# Altium PCB HORNET-1-IPG.PcbDoc (part 5 of 8)
Units mm, origin at the board's own origin, x right, y up, seen from the top; angles counter-clockwise.
Board outline 91.44 x 90.73 mm, 8 copper layers (TOP, AVERT, AHOR, GND, POWER, DVERT, DHOR, BOT), stack 0.686 mm thick; 726 components, 412 nets, 2077 pads, 2674 vias.
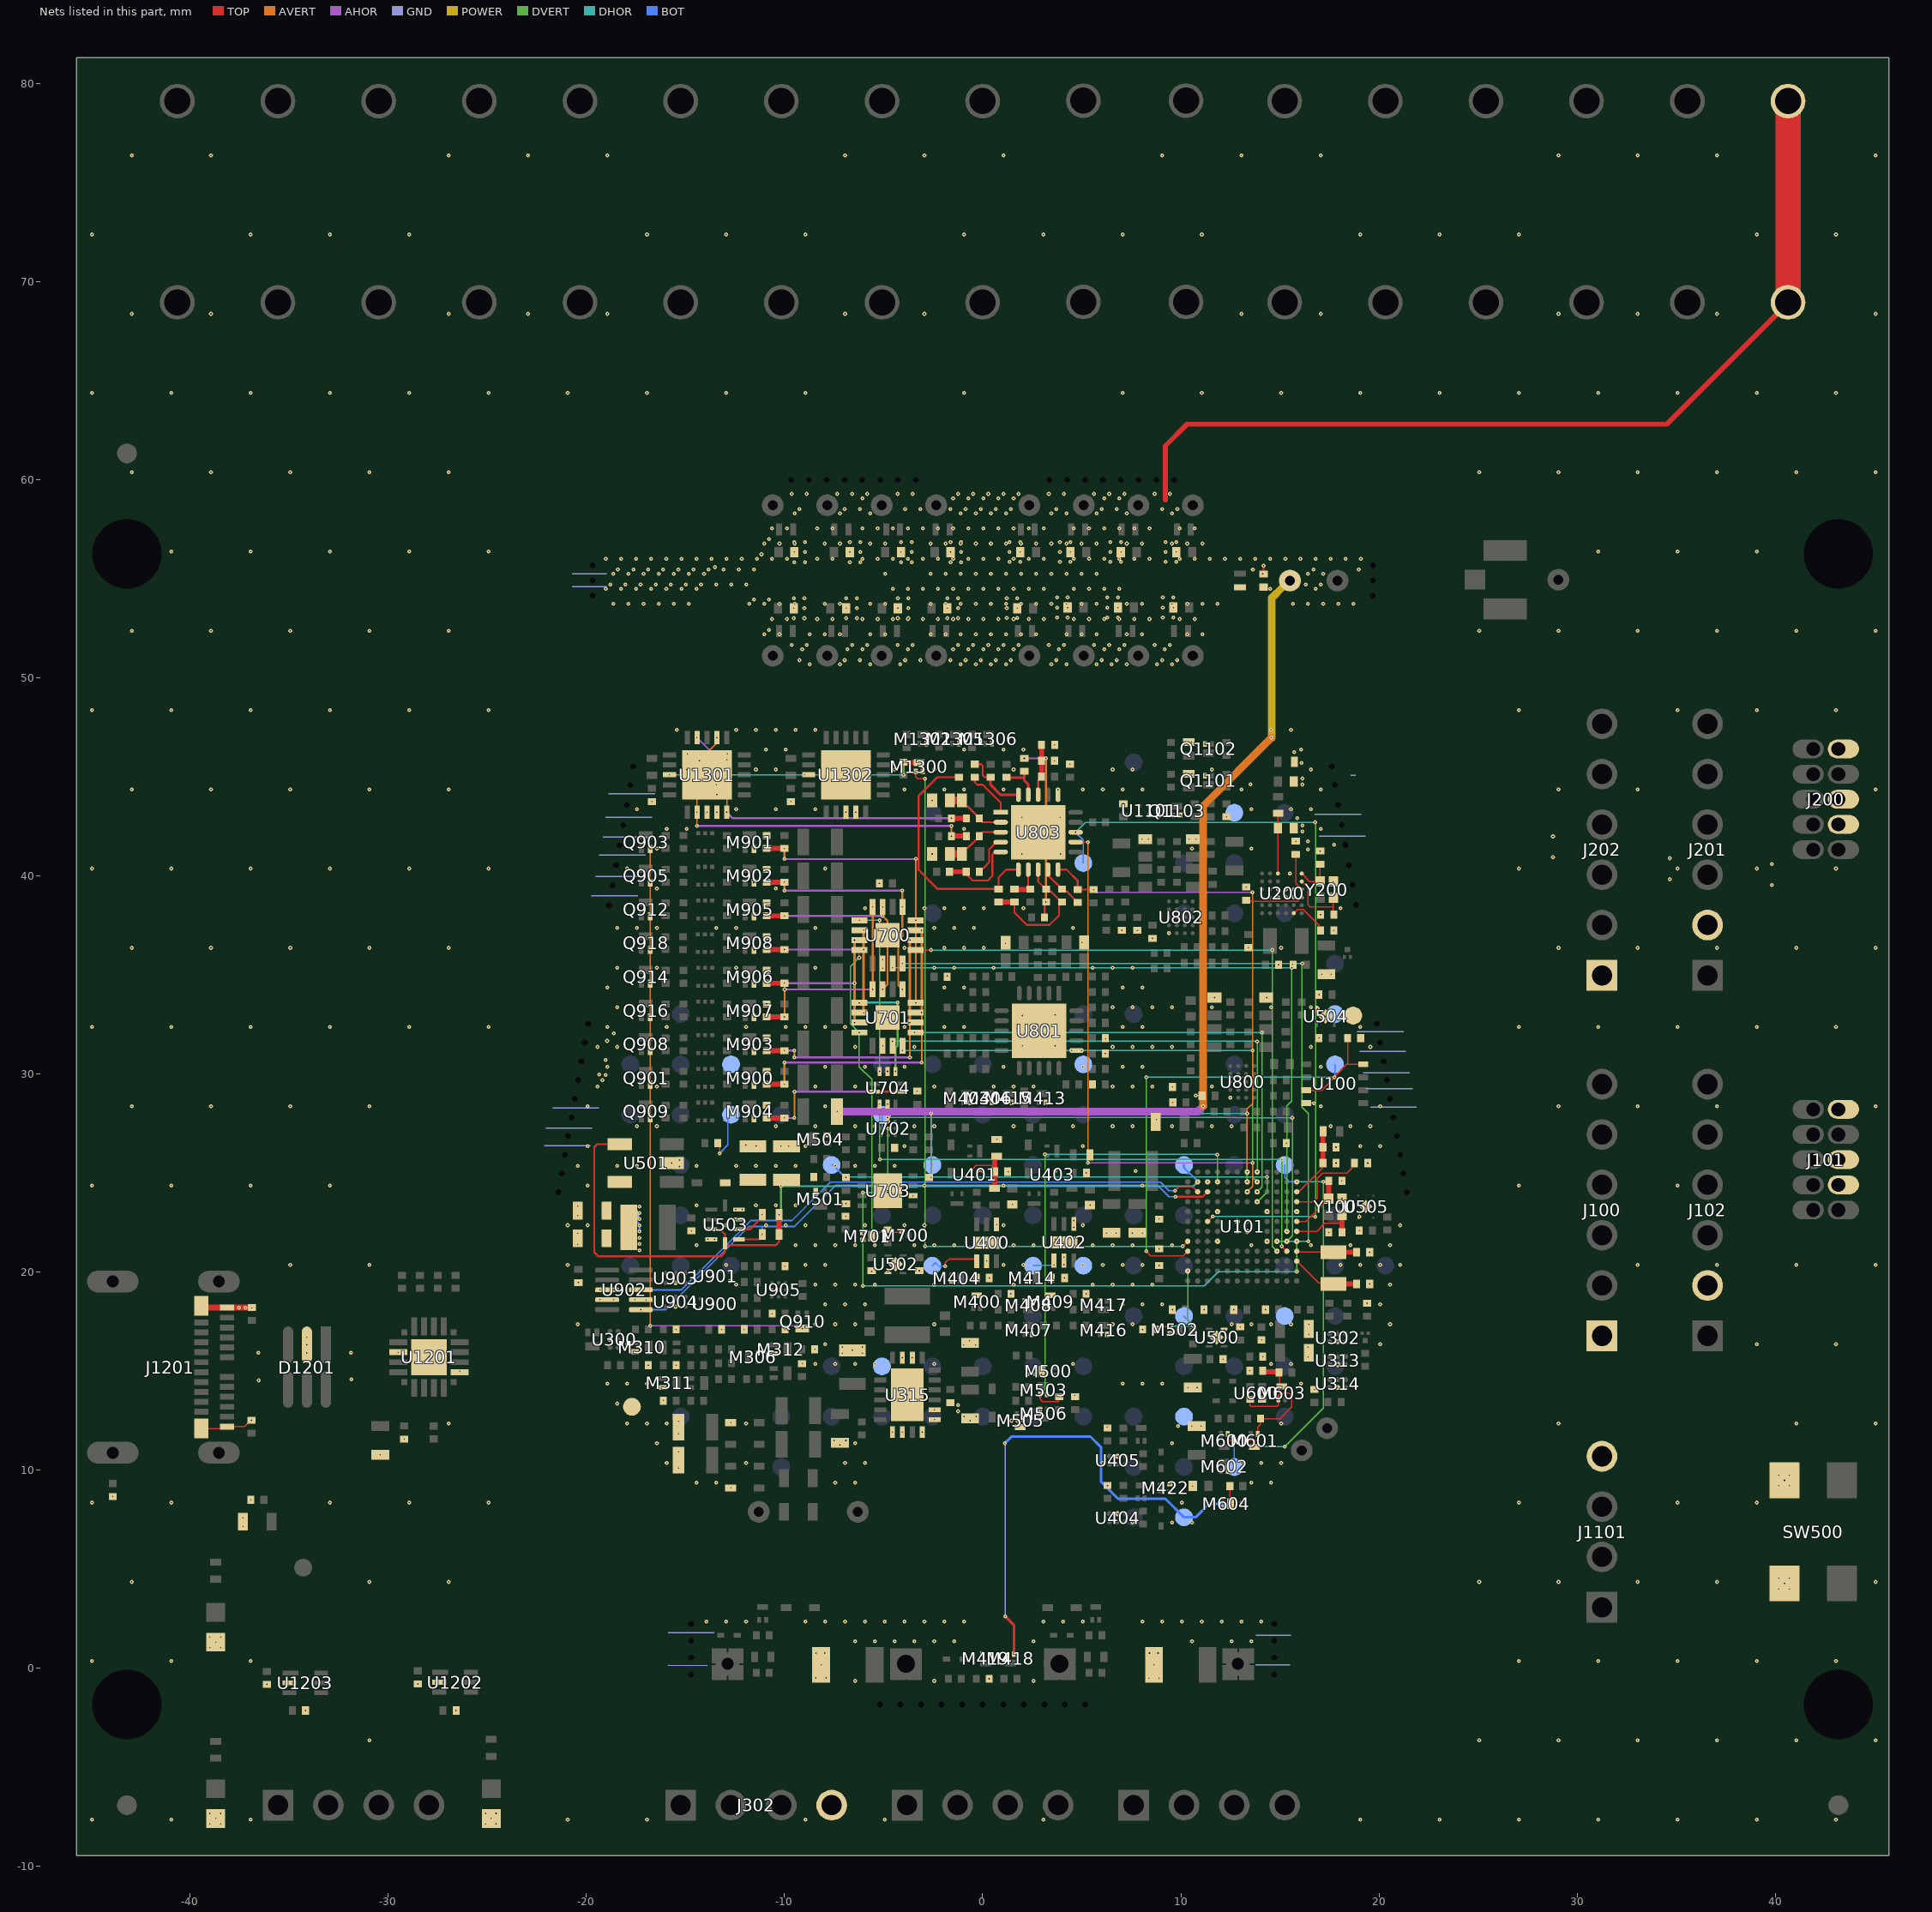
[diagram p11: the nets of this part, all layers, seen from the top]

## Via types
v1: diameter 0.2, hole 0.07, TOP to GND, tented top, 631 vias
v2: diameter 0.2, hole 0.07, GND to BOT, tented bottom, 276 vias
v3: diameter 0.2, hole 0.07, TOP to AHOR, tented top, 245 vias
v4: diameter 0.2, hole 0.07, TOP to BOT, tented top, 216 vias
v5: diameter 0.2, hole 0.07, TOP to POWER, tented top, 159 vias
v6: diameter 0.2, hole 0.07, TOP to DHOR, tented top, 156 vias
v7: diameter 0.2, hole 0.07, DHOR to BOT, tented bottom, 134 vias
v8: diameter 0.2, hole 0.07, TOP to AVERT, tented top, 129 vias
v9: diameter 0.2, hole 0.07, TOP to DVERT, tented top, 111 vias
v10: diameter 0.2, hole 0.07, AVERT to AHOR, 100 vias
v11: diameter 0.2, hole 0.07, DVERT to DHOR, 89 vias
v12: diameter 0.2, hole 0.07, DVERT to DHOR, tented both sides, 86 vias
v13: diameter 0.2, hole 0.07, AHOR to GND, 81 vias
v14: diameter 0.2, hole 0.07, TOP to AVERT, tented both sides, 47 vias
v15: diameter 0.2, hole 0.07, AVERT to AHOR, tented both sides, 39 vias
v16: diameter 0.2/0.2/0.2/0.2 (per signal layer), hole 0.07, TOP to GND, tented both sides, 35 vias
v17: diameter 0.2, hole 0.07, GND to POWER, 28 vias
v18: diameter 0.2, hole 0.07, POWER to DVERT, 22 vias
v19: diameter 0.2, hole 0.07, TOP to BOT, tented both sides, 21 vias
v20: diameter 0.2, hole 0.07, TOP to POWER, tented both sides, 17 vias
v21: diameter 0.2, hole 0.07, TOP to BOT, tented bottom, 12 vias
v22: diameter 0.2, hole 0.07, GND to BOT, tented both sides, 9 vias
v23: diameter 0.2/0.2/0/0.2/0/0/0/0.2 (per signal layer), hole 0.07, TOP to BOT, tented both sides, 7 vias
v24: diameter 0.2/0/0/0/0.2 (per signal layer), hole 0.07, TOP to POWER, tented top, 5 vias
v25: diameter 0.2, hole 0.07, TOP to DVERT, 4 vias
v26: diameter 0.2, hole 0.07, TOP to AHOR, tented both sides, 3 vias
v27: diameter 0.2/0.2/0/0.2/0/0.2/0/0.2 (per signal layer), hole 0.07, TOP to BOT, tented both sides, 2 vias
v28: diameter 0.2, hole 0.07, TOP to GND, tented both sides, 1 vias
v29: diameter 0.2, hole 0.07, AHOR to GND, tented bottom, 1 vias
v30: diameter 0/0 (per signal layer), hole 0.07, GND to POWER, 1 vias
v31: diameter 0.2/0 (per signal layer), hole 0.07, AVERT to AHOR, 1 vias
v32: diameter 0/0 (per signal layer), hole 0.07, AHOR to GND, 1 vias
v33: diameter 0/0 (per signal layer), hole 0.07, POWER to DVERT, 1 vias
v34: diameter 0/0 (per signal layer), hole 0.07, DVERT to DHOR, 1 vias
v35: diameter 0/0.2 (per signal layer), hole 0.07, DHOR to BOT, tented bottom, 1 vias
v36: diameter 0.2, hole 0.07, AVERT to AHOR, tented top, 1 vias
v37: diameter 0.2/0/0/0.2/0/0/0/0.2 (per signal layer), hole 0.07, TOP to BOT, tented both sides, 1 vias

## Nets (pads, with @x,y where several pads share a name; then routed paths per layer and width w, separated by ;. In a path a pad name is that pad's centre, name@x,y a point inside that pad or via, vN(x,y) a via of type N, cw(c..) or ccw(c..) an arc to the next point about the centre after c; other vN are vias at no path point) (continued)
EMG2+: R849.1 R850.1 U1301.5 U1301.14 | length 16.8
  TOP w0.254: v3(-1.575,42.9) R850.1@-0.825,42.9
  AHOR w0.06: v3(-14.414,46.977) -13.508,46.071 -13.284,45.847 v15(-12.903,45.847)
  AHOR w0.1: v3(-12.914,43.207) -12.607,42.9 v3(-1.575,42.9)
  AVERT w0.06: v3(-12.914,43.207) -12.914,45.837 v15(-12.903,45.847)
EMG2-: R848.1 R851.1 U1301.2 U1301.12 | length 19
  TOP w0.254: v8(-1.575,42) R851.1@-0.825,42
  AHOR w0.1: v15(-14.422,42.518) v15(-1.575,42.518)
  AVERT w0.06: v15(-14.422,42.518) -14.418,42.522 v8(-14.418,43.206) v8(-14.418,43.206) -14.414,43.207 -14.414,43.861 -14.3,43.975 v10(-14.3,45.81) -13.414,46.696 v3(-13.414,46.977)
  AVERT w0.1: v8(-1.575,42) v15(-1.575,42.518)
EMG2.LOD: U101.K6 U803.12 | length 42.9
  TOP w0.06: U803.12@4.691,41.7 4.699,41.692 v8(5.312,41.692)
  AHOR w0.06: v10(5.312,25.502) 5.321,25.511 9.6,25.511 v10(13.625,25.511)
  AVERT w0.06: v8(13.35,24.05) 13.625,24.325 v10(13.625,25.511) ; v10(5.312,25.502) v8(5.312,41.692) v10(5.312,25.502)
EMG2.OUT: C828.2 R861.1 U101.M6 U803.10 | length 24.8
  TOP w0.1: U803.10@3.8,40.309 4.23,40.309 4.8,39.74 R861.1@4.8,39.3 v9(5.6,39.3)
  AHOR w0.06: v9(5.6,39.3) 5.733,39.167 6.399,39.167 v10(13.614,39.167)
  AVERT w0.06: v8(13.35,25.05) 13.35,28.234 13.614,28.499 ; 13.614,28.5 13.614,30.7 v10(13.614,39.167)
EMG2.SDNn: TP804.1 U101.G10 U803.13 | length 39.5
  TOP w0.06: U101.G10@11.35,22.55 11.357,22.55 v6(11.607,22.8)
  DVERT w0.06: v11(16.789,22.784) 16.796,22.791 16.796,42.69 v11(16.789,42.697)
  DHOR w0.06: v21(4.691,42.2) 5.188,42.697 9.929,42.697 v11(16.789,42.697) ; v6(11.607,22.8) 16.6,22.8 16.773,22.8 v11(16.789,22.784)
  BOT w0.06: v21(4.691,42.2) 5.08,41.811 TP804.1@5.08,40.64
EMG2_HPDRIVE: C824.1 U803.1 | length 2.5
  TOP w0.1: C824.1@-0.4,44.97 -0.4,44.723 -0.269,44.592 0,44.592 0.909,43.683 U803.1@0.909,43.2
EMG2_HPSENSE: C824.2 R853.1 U803.20 | length 3.3
  TOP w0.102: C824.2@-0.4,45.63 -0.088,45.63 0,45.542 0,45.085 0.11,44.975 R853.1@0.4,44.975
  TOP w0.127: R853.1@0.4,44.975 0.4,44.592 0.902,44.091 U803.20@1.8,44.091
EMG2_IN+: D808.2 D812.1 R850.2 U803.2 | length 3.1
  TOP w0.1: D808.2@-1.05,43.8 -1.05,43.7 -0.85,43.5 -0.75,43.5 -0.3,43.05 -0.175,42.925 R850.2@-0.175,42.9 -0.175,42.875 0,42.7 U803.2@0.909,42.7
  TOP w0.381: D812.1@-1.65,43.8 D808.2@-1.05,43.8
EMG2_IN-: D809.2 D813.1 R851.2 U803.3 | length 3.1
  TOP w0.1: D809.2@-1.05,41.1 -1.05,41.2 -0.85,41.4 -0.75,41.4 -0.175,41.975 R851.2@-0.175,42 -0.175,42.025 0,42.2 U803.3@0.909,42.2
  TOP w0.381: D813.1@-1.65,41.1 D809.2@-1.05,41.1
EMG2_IOUT: C827.2 R854.2 U803.19 | length 2.2
  TOP w0.127: R854.2@1.2,44.975 1.223,44.952 2.1,44.952 ; C827.2@2.1,45.27 2.1,44.952 ; U803.19@2.3,44.091 2.294,44.097 2.294,44.615 2.1,44.808 2.1,44.952
EMG2_OPAMP+: C826.2 R860.2 U803.7 | length 2.3
  TOP w0.1: C826.2@1.6,39.33 C826.2@1.63,39.3 ; U803.7@2.3,40.309 R860.2@2.3,39.4 ; R860.2@2.3,39.4 R860.2@2.388,39.312 ; R860.2@2.3,39.4 R860.2@2.388,39.312 ; R860.2@2.3,39.4 R860.2@2.388,39.312 ; R860.2@2.3,39.4 R860.2@2.4,39.3 ; R860.2@2.388,39.312 R860.2@2.4,39.3 ; R860.2@2.388,39.312 R860.2@2.4,39.3 ; R860.2@2.388,39.312 R860.2@2.4,39.3
  TOP w0.254: C826.2@1.63,39.3 R860.2@2.4,39.3
EMG2_OPAMP-: R856.2 R861.2 U803.9 | length 2.4
  TOP w0.1: U803.9@3.3,40.309 3.327,40.283 3.327,39.998 3.85,39.475 3.85,39.45 R856.2@3.975,39.325 ; R856.2@4,39.3 4.1,39.2 4.25,39.2 R861.2@4.775,38.675 ; R861.2@4.775,38.675 R861.2@4.8,38.675 ; R861.2@4.775,38.675 R861.2@4.8,38.675 ; R861.2@4.775,38.675 R861.2@4.8,38.675
EMG2_REFIN: C822.1 R846.1 R847.2 U803.18 | length 2.6
  TOP w0.1: U803.18@2.8,44.091 2.8,44.791 2.85,44.841 2.85,44.85 R846.1@2.988,44.988
  TOP w0.254: R846.1@2.975,45 R847.2@2.975,45.8 C822.1@2.975,46.6
EMG2_REFOUT: C825.2 C826.1 R856.1 R858.1 U803.8 | length 7
  TOP w0.1: C826.1@1.6,38.67 1.6,38.143 2.229,37.515 3.369,37.515 3.85,37.995 3.85,38.55 R856.1@3.975,38.675 ; U803.8@2.8,40.309 2.8,39.7 3.3,39.2 3.45,39.2 R856.1@3.975,38.675 ; R856.1@4,38.675 R856.1@3.975,38.675
  TOP w0.254: C825.2@0.8,38.67 C826.1@1.6,38.67
EMG2_RLD: C823.1 R852.2 U803.5 | length 3.9
  TOP w0.1: C823.1@-0.85,40.1 -0.51,39.76 0.26,39.76 0.49,39.99 0.49,41.075 0.549,41.134 0.56,41.134 0.626,41.2 U803.5@0.909,41.2
  TOP w0.254: R852.2@-1.675,40.2 C823.1@-0.9,40.2
EMG2_RLDFB: C823.2 U803.4 | length 2
  TOP w0.1: C823.2@-0.1,40.25 0.06,40.41 0.065,40.41 0.33,40.675 0.33,41.33 0.7,41.7 U803.4@0.909,41.7
EMG2_SW: C825.1 R855.1 U803.6 | length 12.3
  TOP w0.102: R855.1@-1.2,44.975 -1.626,44.975 -2.294,44.975 -3.226,44.044 -3.226,40.284 -2.271,39.33 C825.1@0.8,39.33 0.8,39.916 1.193,40.309 U803.6@1.8,40.309
EMG2_VO1: C827.1 R858.2 R859.1 | length 9.1
  TOP w0.1: R859.1@3.125,37.9 3.125,38.6 v8(3.2,38.675)
  TOP w0.127: v3(2.1,45.923) C827.1@2.1,45.93
  AHOR w0.1: v3(2.1,45.923) 3.175,45.923 v10@3.2,45.898
  AVERT w0.1: v8(3.2,38.675) 3.2,44.823 3.2,45.77 v10@3.2,45.898
  other v10: 3.2,45.923
ENCL: C907.2 C1000.1 C1001.1 C1002.1 C1003.1 C1004.1 C1005.1 C1006.1 C1007.1 C1008.1 C1009.1 C1010.1 C1011.1 C1012.1 C1013.1 C1014.1 C1015.1 C1016.2 D1016.2 J1000.1 J1017.1 J1017.2 | length 93.9
  TOP w0.254: C1000.1@-9.576,56.259 cw(c-9.5,56.259) v3(-9.5,56.335) ; 9.223,58.974 9.223,61.7 10.313,62.789 34.519,62.789 J1017.1@40.64,68.911
  TOP w1.27: J1017.1@40.64,68.936 J1017.2@40.64,79.096
  AHOR w0.381: v10(-7.35,28.1) 10.859,28.1 v10(11.125,28.366)
  AVERT w0.381: v10(11.125,28.366) 11.125,43.519 v10@14.574,46.967
  POWER w0.381: v17(14.579,46.967) 14.579,54.009 J1000.1@15.147,54.577
  other v3: -9.254,50.881 -6.965,50.881 -6.202,50.881 -3.913,50.881 -3.15,50.881 -1.624,50.881 -0.861,50.881 -0.098,50.881 0.665,50.881 1.428,50.881 3.717,50.881 6.006,50.881 6.769,50.881 9.058,50.881 9.821,50.881 -9.636,51.644 -8.873,51.644 -6.584,51.644 -5.821,51.644 -4.294,51.644 -3.531,51.644 -1.242,51.644 -0.479,51.644 0.284,51.644 1.047,51.644 1.81,51.644 3.336,51.644 4.099,51.644 5.625,51.644 6.388,51.644 7.151,51.644 8.677,51.644 9.44,51.644 -10.78,52.407 -9.533,52.999 -8.999,52.999 -6.886,52.999 -6.353,52.999 -4.283,52.999 -3.749,52.999 -1.783,52.999 -1.249,52.999 1.214,53.008 1.748,53.008 3.754,53.038 4.288,53.038 6.294,53.038 6.828,53.038 9.088,53.038 9.622,53.038 -9.533,53.505 -8.999,53.505 -6.886,53.505 -6.353,53.505 -4.283,53.505 -3.749,53.505 -1.783,53.505 -1.249,53.505 1.214,53.505 1.748,53.505 3.754,53.535 4.288,53.535 6.294,53.535 6.828,53.535 9.088,53.536 9.622,53.535 -11.543,53.933 -10.78,53.933 -9.533,54.002 -8.999,54.002 -6.886,54.002 -6.353,54.002 -4.283,54.002 -3.749,54.002 -1.783,54.002 -1.249,54.002 1.214,54.011 1.748,54.011 3.754,54.041 4.288,54.041 6.294,54.041 6.828,54.041 9.088,54.041 9.622,54.041 -18.792,54.696 -18.029,54.696 -17.266,54.696 -16.503,54.696 -15.74,54.696 -14.977,54.696 -14.214,54.696 -13.451,54.696 -12.688,54.696 -11.925,54.696 16.307,54.696 17.07,54.696 -18.41,55.459 -16.884,55.459 -16.121,55.459 -15.358,55.459 -14.595,55.459 -13.832,55.459 -13.069,55.459 -12.306,55.459 -11.543,55.459 13.636,55.459 16.688,55.459 18.977,55.459 -9.5,55.829 -8.966,55.829 -6.707,55.829 -6.173,55.829 -4.118,55.829 -3.584,55.829 -1.618,55.829 -1.085,55.829 1.359,55.838 1.893,55.838 3.899,55.838 4.433,55.838 6.439,55.838 6.973,55.838 9.233,55.838 9.767,55.838 -11.162,56.222 -8.966,56.335 -6.707,56.335 -6.173,56.335 -4.118,56.335 -3.584,56.335 -1.618,56.335 -1.085,56.335 1.359,56.335 1.893,56.335 3.899,56.335 4.433,56.335 6.439,56.335 6.973,56.335 9.233,56.335 9.767,56.335 -9.5,56.832 -8.966,56.832 -6.707,56.832 -6.173,56.832 -4.118,56.832 -3.584,56.832 -1.618,56.832 -1.085,56.832 1.359,56.841 1.893,56.841 3.899,56.841 4.433,56.841 6.439,56.841 6.973,56.841 9.233,56.841 9.767,56.841 -10.78,56.985 -9.254,58.511 -6.965,58.511 -6.202,58.511 -3.913,58.511 -3.15,58.511 -1.624,58.511 -0.861,58.511 -0.098,58.511 0.665,58.511 1.428,58.511 3.717,58.511 6.006,58.511 6.769,58.511 9.058,58.511 9.821,58.511 -9.636,59.274 -8.873,59.274 -7.347,59.274 -6.584,59.274 -5.821,59.274 -4.294,59.274 -3.531,59.274 -1.242,59.274 -0.479,59.274 0.284,59.274 1.047,59.274 1.81,59.274 3.336,59.274 4.099,59.274 5.625,59.274 6.388,59.274 7.151,59.274 8.677,59.274 9.44,59.274
  other v8: -7.35,28.1
  other v10: 14.579,46.967
  other v13: 14.579,46.967
  other v26: -17.628,55.448
FRAM_EN: C120.2 TP106.1 U100.3 U100.8 U101.D12 | length 25.7
  TOP w0.06: v9(8.25,21.05) 8.475,20.825 10.125,20.825 U101.D12@10.35,21.05 ; U100.3@16.565,29.175 17.101,29.175 v7(17.754,29.827) ; v6@17.733,29.848 18.366,30.48 18.415,30.48 ; C120.2@18.415,31.75 18.415,30.48 ; U100.8@19.196,30.485 19.191,30.48 18.415,30.48
  DVERT w0.06: v9(8.25,21.05) v12(8.25,29.827)
  DHOR w0.06: v12(8.25,29.827) v7(17.754,29.827)
  BOT w0.06: v7(17.754,29.827) 17.767,29.841 17.767,30.467 TP106.1@17.78,30.48
  other v6: 17.754,29.827
GND: C100.1 C101.2 C102.1 C103.2 C104.1 C105.1 C106.1 C107.1 C108.1 C109.1 C110.1 C111.1 C112.1 C113.1 C114.1 C115.2 C116.1 C117.2 C118.2 C119.2 C120.1 C200.1 C201.1 C210.2 C211.2 C213.2 C214.1 C215.1 C216.1 C217.1 C218.2 C219.1 C306.2 C307.1 C310.1 C311.1 C317.2 C318.1 C319.2 C400.2 C417.1 C419.1 C420.2 C422.1 C423.1 C500.1 C501.2 C502.1 C503.2 C504.2 C505.2 C506.2 C507.1 C508.1 C509.1 C510.1 C511.1 C512.1 C600.2 C601.1 C602.1 C700.1 C701.1 C702.1 C703.1 C704.1 C800.1 C801.1 C807.1 C808.1 C815.1 C816.1 C821.2 C822.2 C901.1 C905.1 C908.1 C1016.1 C1101.1 C1200.1 C1201.2 C1202.1 C1203.2 C1204.1 C1205.2 C1206.1 C1207.1 C1300.1 C1301.1 D305.2 D306.2 D307.1 D804.2 D805.2 D806.2 D807.2 D812.2 D813.2 D814.2 D815.2 D1101.1 D1102.1 D1201.2 D1202.K D1203.K D1204.K F400.2 F401.2 J100.1 J101.3 J101.5 J101.9 J102.2 J200.3 J200.5 J200.9 J201.2 J202.1 J302.4 J1101.4 J1201.A1 J1201.A12 J1201.B1 J1201.B12 L201.1 M306.1 M310.2 M311.2 M312.2 M403.2 M404.2 M406.2 M407.2 M408.2 M413.2 M414.2 M415.2 M416.2 M417.2 M419.2 M422.2 M502.2 M503.2 M504.2 M506.2 M602.2 M604.2 M701.2 M900.2 M901.2 M902.2 M903.2 M904.2 M905.2 M906.2 M907.2 M908.2 M1300.2 M1302.2 M1305.2 M1306.2 Q1101.2 Q1102.2 Q1103.2 R101.1 R319.2 R323.2 R326.2 R328.2 R329.2 R330.2 R341.2 R356.2 R404.2 R409.2 R415.2 R420.2 R422.1 R425.2 R428.2 R502.2 R511.2 R604.2 R705.2 R804.2 R819.2 R834.2 R847.1 R904.2 R911.2 R917.2 R926.2 R927.2 R929.2 R930.1 R931.2 R936.2 R941.2 R946.2 R951.2 R1106.1 R1201.2 R1202.2 R1208.2 SW500.1 SW500.2 TP408.1 TP409.1 TP410.1 TP411.1 TP412.1 TP413.1 TP414.1 TP415.1 TP416.1 TP423.1 U100.4 U101.E4 U101.E9 U101.F6 U101.G7 U101.H1 U101.H4 U101.H9 U101.L10 U200.B3 U200.B4 U200.C1 U200.D3 U200.D4 U200.E3 U200.E4 U300.B1 U302.B1 U313.B1 U314.B1 U315.7 U315.8 U315.10 U315.11 U315.12 U315.18 U315.19 U315.21 U400.1 U400.5 U400.7 U401.B2 U402.1 U402.5 U402.7 U403.B2 U404.B1 U405.B1 U500.2 U500.5 U501.2 U502.2 U502.5 U503.3 U503.4 U503.9 U504.2 U504.5 U505.3 U505.5 U600.4 U700.6 U700.17 U701.6 U701.17 U702.A2 U703.6 U703.9 U704.10 U800.A1 U801.16 U801.21 U802.A1 U803.16 U803.21 U900.1 U900.4 U901.4 U902.3 U902.4 U902.7 U903.2 U904.2 U905.A2 U1101.2 U1101.3 U1201.3 U1201.12 U1201.21 U1202.2 U1203.2 U1301.3 U1301.4 U1301.21 U1302.3 U1302.4 U1302.21 Y100.4 Y200.4 | length 56.2
  TOP w0.06: J1201.B1@-39.43,12.1 -38.23,12.1 J1201.A12@-38.13,12.2 -37.25,12.2 -36.935,12.515 v14(-36.9,12.515) ; M306.1@-11.35,15.95 v1(-11,15.95) ; C821.2@4.4,45.545 v1(4.4,45.63) ; v1(10.426,41.85) D807.2@10.6,41.85 v1(10.768,41.85) ; v1(10.756,28.904) 11.066,28.904 C801.1@11.07,28.9 ; v1(15.8,41.742) C217.1@15.817,41.725
  TOP w0.102: U401.B2@-0.227,25.11 v1(0,25.11) ; C1016.1@14.173,55.222 v28(14.173,55.646) ; U100.4@16.326,28.535 16.71,28.535 v1(16.72,28.525)
  TOP w0.305: J1201.B12@-39.41,18.3 -39.31,18.2 J1201.A1@-38.13,18.2 ; J1201.A1@-38.11,18.2 v8(-37.517,18.2) v10(-37.199,18.2) v13(-36.881,18.2)
  AVERT w0.06: v10@-30.404,10.771 v14(-30.4,10.775) ; v10@-29.21,11.56 v14(-29.2,11.57) ; v10@-26.39,14.987 v14(-26.39,14.99)
  GND w0.06: -22.128,26.377 -19.802,26.377 ; -22.039,27.264 -19.713,27.264 ; -21.689,28.277 -19.363,28.277 ; -20.711,54.585 -18.973,54.585 ; -20.711,55.228 -18.973,55.228 ; -19.73,38.989 -17.404,38.989 ; -19.527,39.954 -17.201,39.954 ; -19.349,41.046 -17.023,41.046 ; -19.146,41.961 -16.82,41.961 ; -19.019,42.951 -16.693,42.951 ; -18.872,44.146 -16.546,44.146 ; -15.875,0.152 -13.9,0.134 ; -15.871,1.798 -13.545,1.798 ; 13.765,0.178 15.503,0.178 ; 13.802,1.671 15.54,1.671 ; 16.77,43.099 19.096,43.099 ; 16.982,42.004 19.308,42.004 ; 18.569,45.066 18.81,45.066 ; 18.908,32.137 21.234,32.137 ; 19.025,31.134 21.351,31.134 ; 19.209,30.056 21.535,30.056 ; 19.358,29.248 21.684,29.248 ; 19.571,28.333 21.897,28.333
  other v1: 0.325,-0.529 8.393,-0.504 8.91,-0.504 -8.425,-0.484 -7.9,-0.484 -8.15,0.171 8.65,0.171 -0.024,0.711 -8.4,0.771 -7.975,0.771 8.421,0.771 8.85,0.771 7.559,7.362 9.559,7.362 10.559,7.362 6.8,7.8 12.06,8.125 10.059,8.362 13.059,8.362 -12.715,9.105 10.6,9.2 6.3,9.225 9.44,9.275 -14.441,9.362 -13.441,9.362 -7.441,9.362 -6.441,9.362 8.559,9.362 13.559,9.362 14.559,9.362 12.375,9.96 -15.35,10.1 -15.941,10.362 -11.941,10.362 -6.941,10.362 -5.941,10.362 6.059,10.362 13.059,10.362 14.059,10.362 15.059,10.362 6.8,10.7 -15.35,10.927 -7.2,11.268 -16.441,11.362 -6.441,11.362 9.559,11.362 -7.5,11.5 -6.9,11.5 -15.35,11.842 -4.55,11.925 -4.05,11.925 -3.05,11.925 6.295,12.185 10.555,12.225 11.026,12.225 -17.941,12.362 -16.941,12.362 -15.941,12.362 -11.941,12.362 15.059,12.362 -12.715,12.4 -15.35,12.467 -0.635,12.497 -2.425,12.55 -0.935,12.713 -0.337,12.713 -1.236,12.969 -2.425,13.05 2.903,13.066 -1.236,13.279 -18.441,13.362 -16.1,13.525 14.125,13.6 4.643,13.776 -3.8,13.8 3.235,13.824 16.739,14.066 -16.15,14.175 10.35,14.175 10.82,14.175 17.91,14.173 -18.941,14.362 -17.941,14.362 -16.941,14.362 7.059,14.362 8.059,14.362 9.059,14.362 16.059,14.362 13.475,15.011 -16.875,15.3 -15.475,15.3 17.917,15.332 -8.441,15.362 -7.441,15.362 -6.441,15.362 -5.441,15.362 -2.441,15.362 4.559,15.362 14.559,15.362 15.559,15.362 -9.1,15.388 12.13,15.6 -4.05,15.675 -3.55,15.675 14.139,15.727 16.408,15.705 -10.55,15.875 -7.089,15.9 -6.06,15.9 -17.55,15.975 -6.575,16.05 -8.475,16.1 16.408,16.201 -7.089,16.219 -6.06,16.219 -0.953,16.307 -0.356,16.307 -17.941,16.362 -7.941,16.362 20.059,16.362 17.908,16.488 -0.656,16.523 14.07,16.575 -18.8,16.6 11.8,16.7 2.475,16.855 6.275,16.86 16.449,16.853 9.46,16.925 12.206,17.063 -15.475,17.1 -13.17,17.1 -12.03,17.1 -9.975,17.1 8.075,17.1 13,17.23 16.449,17.349 -20.441,17.362 -8.441,17.362 -7.441,17.362 -6.441,17.362 -2.441,17.362 6.559,17.362 7.559,17.362 12.559,17.362 13.559,17.362 14.559,17.362 15.559,17.362 20.559,17.362 -10.625,17.9 9.57,18.1 11.17,18.1 12.67,18.1 14.27,18.1 -14.25,18.15 -12.75,18.15 -15.5,18.25 -7.941,18.362 -6.941,18.362 -5.941,18.362 7.059,18.362 8.059,18.362 9.059,18.362 20.059,18.362 19.4,18.425 2.125,18.54 5.925,18.54 -19.309,18.6 -18.61,18.6 -17.55,18.6 -16.993,18.594 1.425,18.9 5.225,18.9 -19.309,19.1 -18.61,19.1 -10.65,19.1 -12.441,19.362 -8.441,19.362 -7.441,19.362 -6.441,19.362 -5.441,19.362 -2.441,19.362 1.559,19.362 5.559,19.362 6.559,19.362 7.559,19.362 8.559,19.362 20.559,19.362 19.53,19.4 -15.5,19.45 -20.4,19.47 -1.54,19.525 2.26,19.525 -12.75,19.55 0.33,19.7 4.13,19.7 -4.794,19.997 -5.6,20.034 -3.2,20.07 -9.975,20.3 8.905,20.33 -20.941,20.362 -12.941,20.362 -8.941,20.362 -7.941,20.362 1.059,20.362 2.059,20.362 4.1,20.37 5.059,20.362 6.059,20.362 7.059,20.362 8.059,20.362 18.059,20.362 19.059,20.362 20.059,20.362 21.059,20.362 -4.4,20.4 0.2,20.55 4.1,20.75 19.53,21 8.905,21.17 -14.441,21.362 -9.441,21.362 -8.441,21.362 -7.441,21.362 -6.441,21.362 -5.441,21.362 -3.441,21.362 -2.441,21.362 -1.441,21.362 1.559,21.362 2.559,21.362 3.65,21.35 4.588,21.35 5.559,21.362 6.559,21.362 7.559,21.362 9.559,21.362 13.559,21.362 16.559,21.362 18.559,21.362 20.559,21.362 -20.425,21.4 0.175,21.5 4.1,21.5 11.85,21.55 14.35,21.55 -6.045,21.625 -13.865,21.651 -13.535,21.65 3.65,21.659 4.588,21.659 -20.425,21.961 6.239,21.961 6.715,21.961 7.553,21.961 8.055,21.961 17.47,22 13.35,22.05 -14.7,22.075 19.004,22.096 4.6,22.255 -20.941,22.362 -19.941,22.362 -12.941,22.362 -10.941,22.362 -9.941,22.362 -8.941,22.362 -5.941,22.362 -3.941,22.362 -2.941,22.362 1.059,22.362 5.059,22.362 21.059,22.362 0.7,22.4 12.85,22.55 4.6,22.6 -12.448,22.65 -12.136,22.65 8.905,22.67 -6.918,22.812 19.009,22.796 -20.425,22.85 11.85,23.05 14.35,23.05 15.85,23.05 -12.458,23.15 -12.136,23.15 19.334,23.296 -20.425,23.326 -14.441,23.362 -11.441,23.362 -10.441,23.362 -9.441,23.362 5.419,23.378 1.5,23.409 -6.901,23.451 18.135,23.71 -3.515,23.85 -4.8,24.1 -19.941,24.362 -2.941,24.362 1.059,24.362 8.059,24.362 11.35,24.55 18.13,24.6 5.23,25 1.289,25.05 7.708,25.1 3.675,25.11 -16.094,25.326 -15.3,25.326 -20.441,25.362 -18.441,25.362 -17.441,25.362 -14.441,25.362 -12.441,25.362 -11.441,25.362 -10.441,25.362 -9.441,25.362 -7.441,25.362 -6.441,25.362 -5.441,25.362 -4.441,25.362 -15.69,25.5 17.83,25.5 19.43,25.5 -16.114,25.653 -15.3,25.653 17.83,26.3 -19.941,26.362 -11.426,26.365 -10.18,26.35 -9.782,26.35 -8.941,26.362 -3.941,26.362 5.059,26.362 19.059,26.362 20.059,26.362 -11.953,26.406 15.33,26.5 0.725,26.7 -7.85,26.925 -17.441,27.362 -16.441,27.362 -10.441,27.362 -8.441,27.362 -6.441,27.362 -5.441,27.362 -3.441,27.362 -2.441,27.362 1.559,27.362 4.559,27.362 6.559,27.362 7.559,27.362 9.559,27.362 11.559,27.362 12.559,27.362 17.559,27.362 18.559,27.362 19.559,27.362 -4.764,27.596 8.77,27.699 -11.537,27.75 -19.941,28.362 -17.941,28.362 -7.941,28.362 17.059,28.362 20.059,28.362 -10.929,28.415 -0.625,28.56 0.475,28.56 1.47,28.56 3.175,28.56 9.6,28.566 12.5,28.8 -3.314,29.129 9.575,29.336 -19.441,29.362 -16.441,29.362 -8.441,29.362 -6.441,29.362 -2.441,29.362 0.559,29.362 1.559,29.362 2.559,29.362 6.559,29.362 7.559,29.362 8.559,29.362 11.559,29.362 -11.537,29.45 -10.913,30.115 -4.8,30.127 -18.941,30.362 -7.941,30.362 -5.941,30.362 -3.941,30.362 1.059,30.362 5.059,30.362 7.059,30.362 8.059,30.362 17.059,30.362 6.189,31.026 -11.537,31.15 4.498,31.174 4.992,31.182 -19.441,31.362 -18.441,31.362 -6.441,31.362 -3.441,31.362 6.559,31.362 7.559,31.362 8.559,31.362 9.559,31.362 16.559,31.362 19.559,31.362 -5.05,31.413 2.007,31.42 3.658,31.42 6.194,31.763 16.97,31.8 -10.873,31.819 -18.941,32.362 -15.941,32.362 -11.941,32.362 -9.941,32.362 -8.941,32.362 -7.941,32.362 -6.941,32.362 -3.941,32.362 -1.941,32.362 -0.941,32.362 7.059,32.362 8.059,32.362 19.059,32.362 -4.8,32.838 -11.537,32.85 17.3,32.9 2.007,32.944 3.658,32.969 16.912,33.3 -18.441,33.362 6.559,33.362 7.559,33.362 8.559,33.362 9.559,33.362 11.559,33.362 14.559,33.362 16.559,33.362 -10.9,33.525 11.7,33.85 14.337,33.85 16.97,34 -18.941,34.362 -1.941,34.362 -0.941,34.362 7.059,34.362 8.059,34.362 -11.537,34.55 -1.794,34.95 17.102,35.036 17.578,35.036 -10.9,35.225 -5.05,35.335 -18.441,35.362 -16.441,35.362 -12.441,35.362 -8.441,35.362 -2.441,35.362 -1.441,35.362 0.559,35.362 5.559,35.362 6.559,35.362 7.559,35.362 14.93,35.5 15.631,35.525 -5.05,35.77 -11.54,36.25 -3.941,36.362 -1.941,36.362 -0.941,36.362 0.059,36.362 13.4,36.37 15.059,36.362 1.163,36.582 5.016,36.625 8.572,36.84 -10.903,36.925 9.4,37.1 7.8,37.24 17.719,37.236 7.027,37.25 -18.441,37.362 -17.441,37.362 -16.441,37.362 -13.441,37.362 -12.441,37.362 -8.441,37.362 -4.466,37.36 -2.441,37.362 -1.441,37.362 -0.441,37.362 4.559,37.362 -11.537,37.95 17.054,38.044 -5.941,38.362 -2.941,38.362 -1.941,38.362 -0.941,38.362 0.059,38.362 2.059,38.362 18.059,38.362 -10.9,38.625 14.9,38.912 15.3,38.912 15.7,38.912 14.9,39.312 15.3,39.312 15.7,39.312 -16.441,39.362 -10.441,39.362 13.3,39.43 -5.21,39.621 -11.557,39.65 17.698,39.707 15.499,40.112 -10.9,40.325 -17.941,40.362 -7.941,40.362 -2.55,41.1 1.981,41.097 3.937,41.097 17.028,41.242 -11.537,41.35 -16.441,41.362 10.559,41.362 13.559,41.362 8.046,41.85 8.372,41.85 -10.9,42.025 -15.941,42.362 -14.941,42.362 -0.941,42.362 17.059,42.362 1.981,42.951 3.912,42.951 12.3,42.975 8.4,43.05 8.9,43.05 9.975,43.06 -13.914,43.207 -13.414,43.207 -6.9,43.207 -6.4,43.207 -17.441,43.362 -12.441,43.362 -10.441,43.362 -8.441,43.362 13.559,43.362 15.559,43.362 16.559,43.362 7.1,43.63 -16.696,43.747 -9.686,43.747 -2.55,43.8 -13.414,44.094 3.8,44.347 -3.941,44.362 -1.941,44.362 -0.941,44.362 1.059,44.362 5.059,44.362 6.059,44.362 7.059,44.362 8.059,44.362 13.059,44.362 17.059,44.362 -13.451,44.589 11.225,45.04 -6.9,45.092 10.235,45.15 10.561,45.15 -3.025,45.27 -14.935,45.353 -11.441,45.362 -10.441,45.362 -4.441,45.362 -2.441,45.362 1.559,45.362 6.559,45.362 7.559,45.362 11.559,45.362 16.559,45.362 3.625,45.8 -14.889,46.157 -12.889,46.157 -10.941,46.362 -9.941,46.362 -0.941,46.362 1.059,46.362 2.059,46.362 16.059,46.362 3.63,46.6 11.225,46.64 -2.85,46.68 -1.19,46.68 0.467,46.68 10.25,46.75 10.55,46.75 -15.441,47.362 -12.441,47.362 -11.441,47.362 -10.441,47.362 -9.441,47.362 -8.441,47.362 14.559,47.362 15.559,47.362